# KiCad board PCA20073_nRF54L15_Tiny_Board.kicad_pcb (continued)
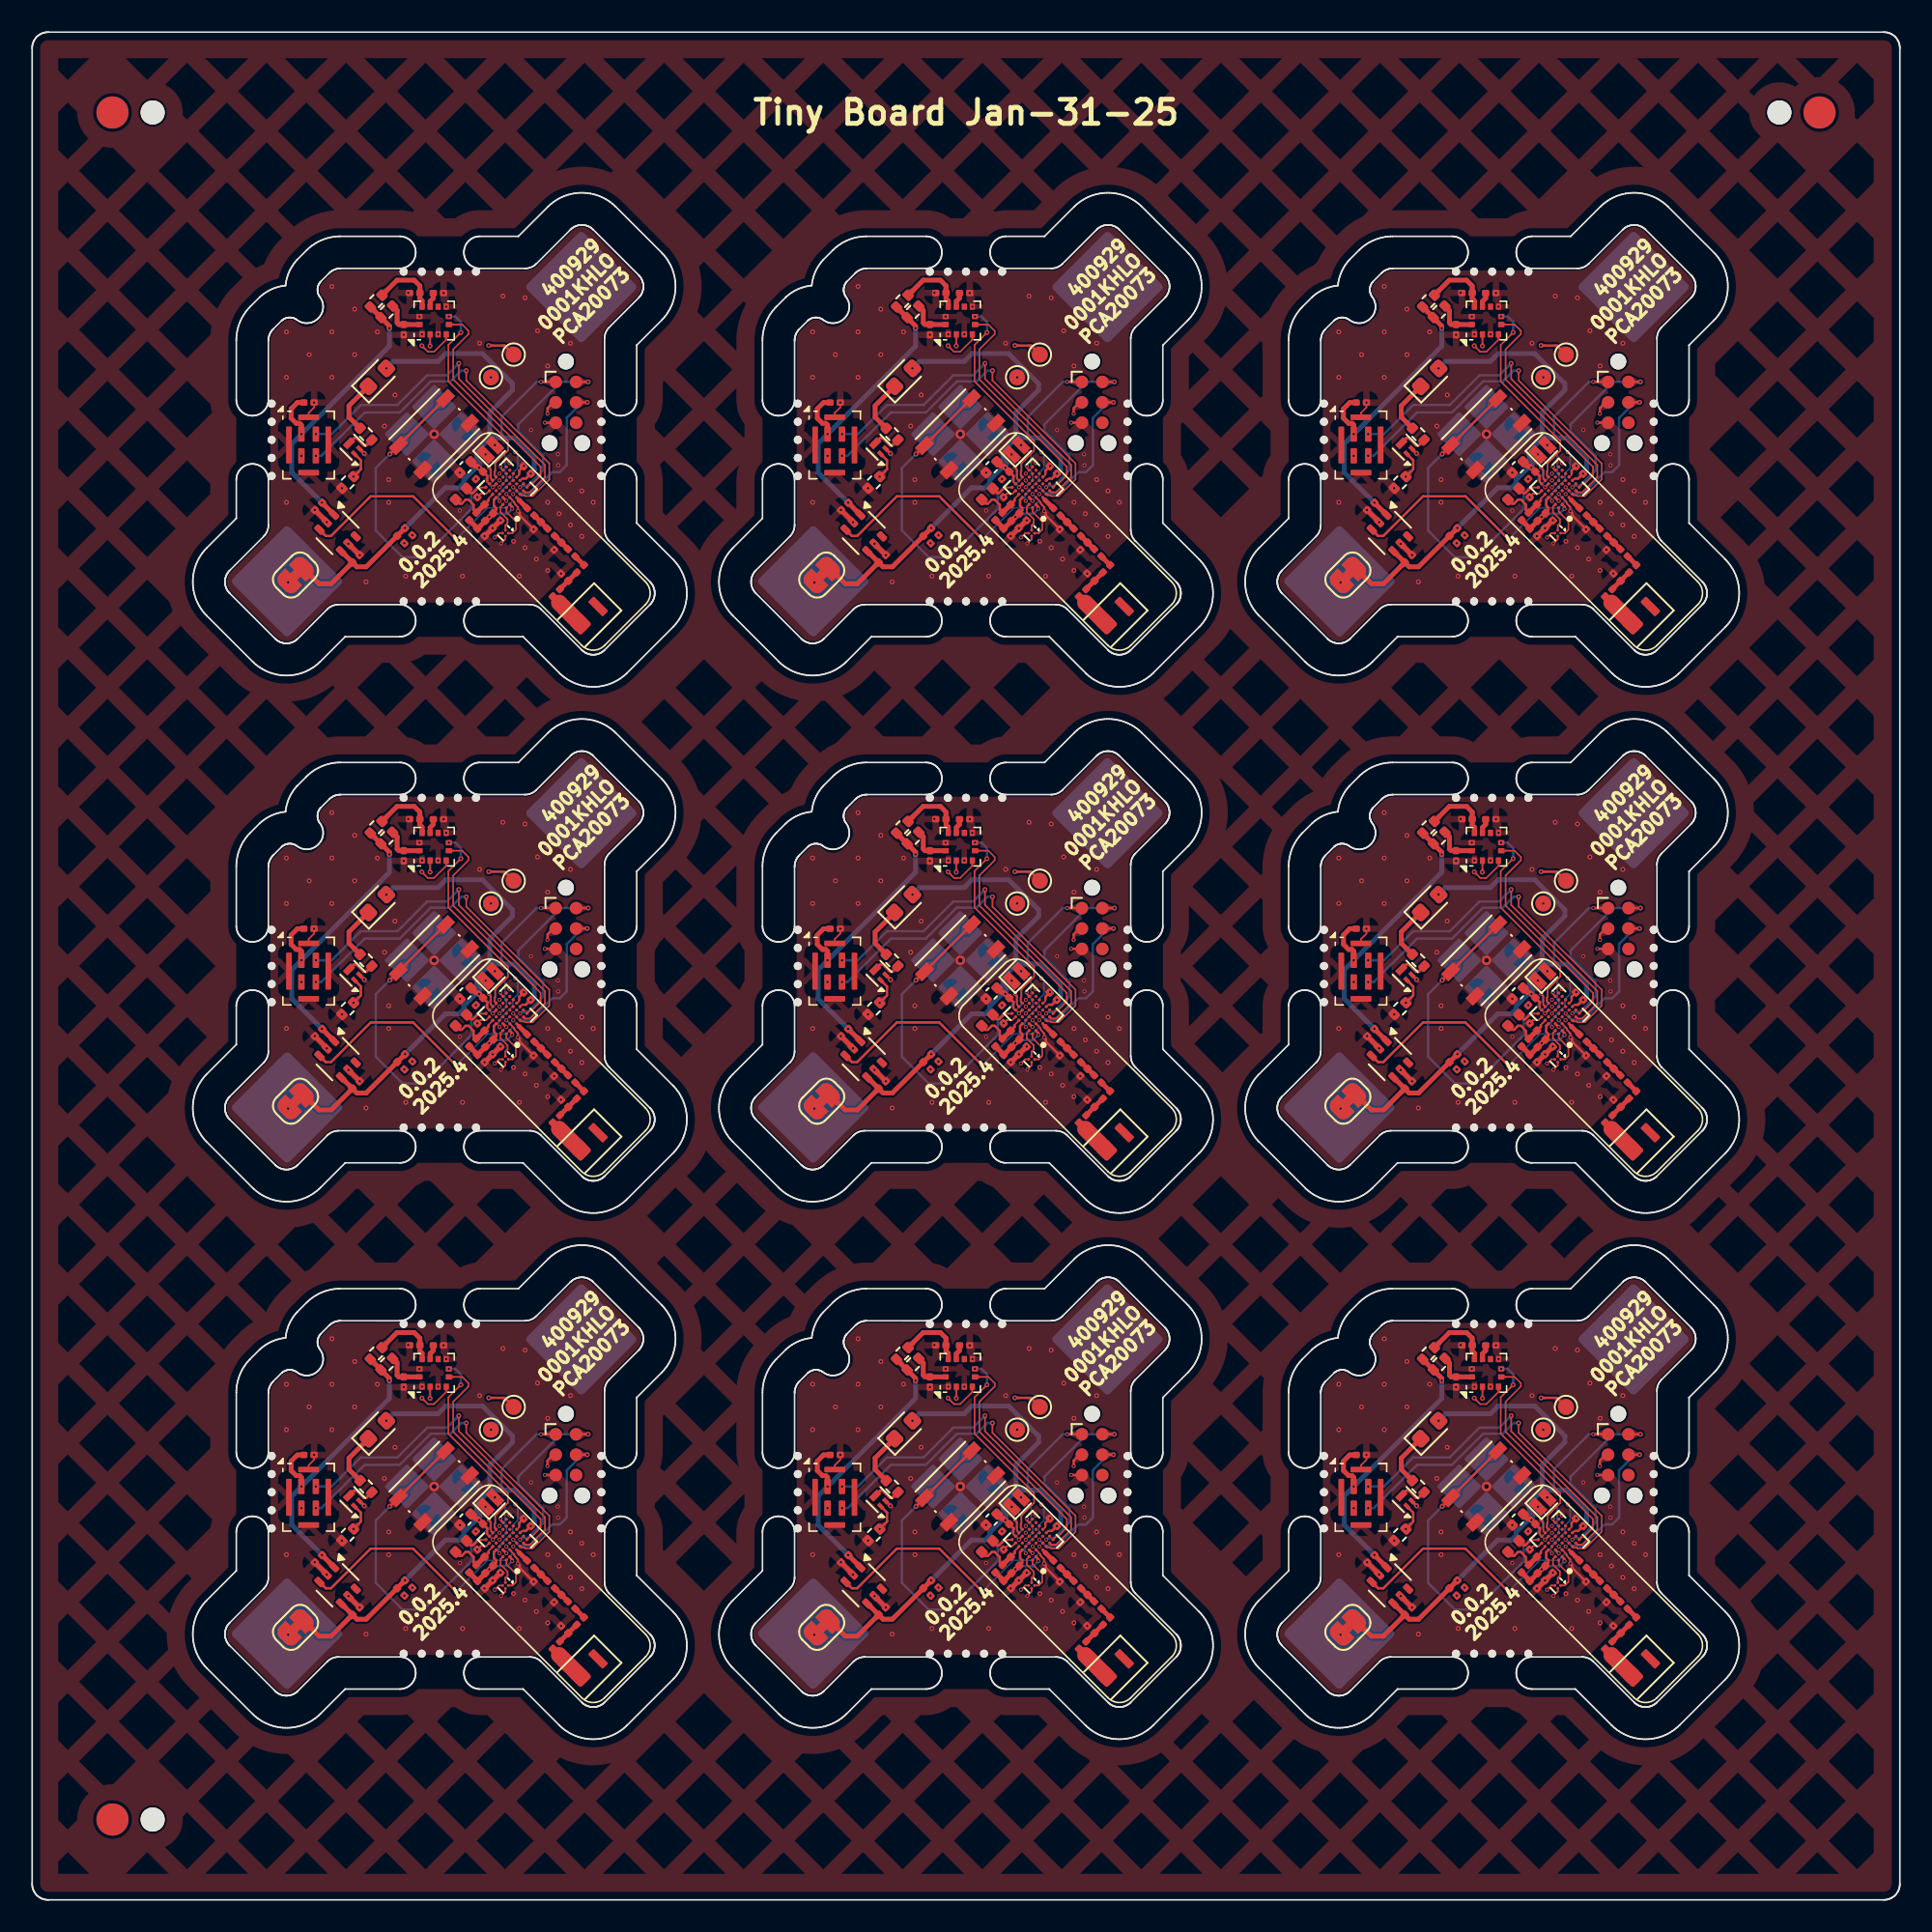
[diagram p0: board, top side]
## Nets (continued)
Board_3-unconnected-(U1-P2.06-PadF4): U1#2.F4
Board_3-unconnected-(U1-P2.07-PadE4): U1#2.E4
Board_3-unconnected-(U1-P2.08-PadD4): U1#2.D4
Board_3-unconnected-(U1-P2.09-PadF3): U1#2.F3
Board_3-unconnected-(U1-P2.10-PadG2): U1#2.G2
Board_3-unconnected-(U2-NC-Pad6): U2.6
Board_3-unconnected-(U3-ADC_IN-Pad8): U3#7.8
Board_3-VDD: C3#7.1 C8.1 C10#2.1 C11#4.1 D1#7.2 J1#4.1 JP1#3.2 R2#9.1 R3#4.1 U1#2.B7 U1#2.G3 U2.4
Board_4-/BUTTON0: SW1#3.1 U1#8.C7
Board_4-/INT1: U1#8.G1 U3#5.5
Board_4-/INT2: U1#8.D7 U3#5.6
Board_4-/LED: Q1#9.1 R4#2.1 U1#8.B3
Board_4-/LFCLK1: U1#8.B6 U1#8.C6 Y1#5.1
Board_4-/LSW: U1#8.C3 U2#6.3
Board_4-/PDM_CLK: MK1#3.3 U1#8.E1
Board_4-/PDM_DATA: MK1#3.4 U1#8.F1
Board_4-/SCL: R3.2 U1#8.F7 U3#5.4
Board_4-/SDA: R2#4.2 U1#8.D6 U3#5.2
Board_4-/UART_RX: TP2#8.1 U1#8.A3
Board_4-/UART_TX: TP1#3.1 U1#8.E7
Board_4-GND: BT1#3.2 C1.2 C2#7.2 C3#9.2 C4#7.2 C5#3.2 C6.2 C8#9.2 C9#7.2 C10#8.2 C11#8.2 C12#8.2 C15#2.2 C16#8.2 C17.2 C20#5.2 J1#6.5 L18#6.2 MK1#3.2 MK1#3.5 Q1#9.2 R4#2.2 SW1#3.2 U1#8.A6 U1#8.C2 U1#8.G4 U2#6.2 U2#6.5 U3#5.1 U3#5.3 U3#5.7 U3#5.11 Y2#4.2 Y2#4.3
Board_4-Net-(AE1-PCB_Trace): AE1#9.2 L7#8.2
Board_4-Net-(BT1-+): BT1#3.1 JP1#2.1
Board_4-Net-(C6-Pad1): C6.1 L2#6.2 L3#3.1
Board_4-Net-(C9-Pad1): C9#7.1 L3#3.2 L4#8.1
Board_4-Net-(D1-K): D1#5.1 R1.1
Board_4-Net-(J1-SWCLK): J1#6.4 U1#8.E3
Board_4-Net-(J1-SWDIO): J1#6.2 U1#8.F2
Board_4-Net-(J1-~{RESET}): J1#6.3 U1#8.D2
Board_4-Net-(JP2-A): C16#8.1 JP2#4.1 U3#5.12
Board_4-Net-(JP3-A): C17.1 JP3.1 U3#5.10
Board_4-Net-(L4-Pad2): L4#8.2 L6.1
Board_4-Net-(L18-Pad1): L6.2 L7#8.1 L18#6.1
Board_4-Net-(Q1-D): Q1#9.3 R1.2
Board_4-Net-(U1-ANT): L2#6.1 U1#8.D1
Board_4-Net-(U1-DCC): L1#3.2 U1#8.A7
Board_4-Net-(U1-DECA): C2#7.1 C5#3.1 C12#8.1 FB1#5.1 U1#8.A4 U1#8.B1
Board_4-Net-(U1-DECD): C1.1 FB1#5.2 L1#3.1 U1#8.A5
Board_4-Net-(U1-P1.00): U1#8.C5 Y1#5.2
Board_4-Net-(U1-XC1): U1#8.A1 Y2#4.1
Board_4-Net-(U1-XC2): U1#8.A2 Y2#4.4
Board_4-Net-(U3-V_{REG_OUT}): C15#2.1 U3#5.9
Board_4-unconnected-(AE1-FEED-Pad1): AE1#9.1
Board_4-unconnected-(J1-SWO-Pad6): J1#6.6
Board_4-unconnected-(U1-P0.02-PadE2): U1#8.E2
Board_4-unconnected-(U1-P0.04-PadD3): U1#8.D3
Board_4-unconnected-(U1-P1.03-PadD5): U1#8.D5
Board_4-unconnected-(U1-P1.05-PadE6): U1#8.E6
Board_4-unconnected-(U1-P1.11-PadC4): U1#8.C4
Board_4-unconnected-(U1-P1.13-PadB4): U1#8.B4
Board_4-unconnected-(U1-P1.14-PadB5): U1#8.B5
Board_4-unconnected-(U1-P2.00-PadG6): U1#8.G6
Board_4-unconnected-(U1-P2.01-PadG7): U1#8.G7
Board_4-unconnected-(U1-P2.02-PadF6): U1#8.F6
Board_4-unconnected-(U1-P2.03-PadE5): U1#8.E5
Board_4-unconnected-(U1-P2.04-PadF5): U1#8.F5
Board_4-unconnected-(U1-P2.05-PadG5): U1#8.G5
Board_4-unconnected-(U1-P2.06-PadF4): U1#8.F4
Board_4-unconnected-(U1-P2.07-PadE4): U1#8.E4
Board_4-unconnected-(U1-P2.08-PadD4): U1#8.D4
Board_4-unconnected-(U1-P2.09-PadF3): U1#8.F3
Board_4-unconnected-(U1-P2.10-PadG2): U1#8.G2
Board_4-unconnected-(U2-NC-Pad6): U2#6.6
Board_4-unconnected-(U3-ADC_IN-Pad8): U3#5.8
Board_4-VDD: C3#9.1 C8#9.1 C10#8.1 C11#8.1 D1#5.2 J1#6.1 JP1#2.2 R2#4.1 R3.1 U1#8.B7 U1#8.G3 U2#6.4
Board_5-/BUTTON0: SW1#8.1 U1.C7
Board_5-/INT1: U1.G1 U3#3.5
Board_5-/INT2: U1.D7 U3#3.6
Board_5-/LED: Q1#6.1 R4.1 U1.B3
Board_5-/LFCLK1: U1.B6 U1.C6 Y1#8.1
Board_5-/LSW: U1.C3 U2#3.3
Board_5-/PDM_CLK: MK1#7.3 U1.E1
Board_5-/PDM_DATA: MK1#7.4 U1.F1
Board_5-/SCL: R3#7.2 U1.F7 U3#3.4
Board_5-/SDA: R2#7.2 U1.D6 U3#3.2
Board_5-/UART_RX: TP2#7.1 U1.A3
Board_5-/UART_TX: TP1#5.1 U1.E7
Board_5-GND: BT1#7.2 C1#9.2 C2#8.2 C3#8.2 C4#4.2 C5.2 C6#7.2 C8#8.2 C9.2 C10#4.2 C11#6.2 C12#7.2 C15#6.2 C16#7.2 C17#4.2 C20#7.2 J1#2.5 L18#2.2 MK1#7.2 MK1#7.5 Q1#6.2 R4.2 SW1#8.2 U1.A6 U1.C2 U1.G4 U2#3.2 U2#3.5 U3#3.1 U3#3.3 U3#3.7 U3#3.11 Y2#7.2 Y2#7.3
Board_5-Net-(AE1-PCB_Trace): AE1.2 L7#4.2
Board_5-Net-(BT1-+): BT1#7.1 JP1.1
Board_5-Net-(C6-Pad1): C6#7.1 L2#7.2 L3#6.1
Board_5-Net-(C9-Pad1): C9.1 L3#6.2 L4#6.1
Board_5-Net-(D1-K): D1#9.1 R1#8.1
Board_5-Net-(J1-SWCLK): J1#2.4 U1.E3
Board_5-Net-(J1-SWDIO): J1#2.2 U1.F2
Board_5-Net-(J1-~{RESET}): J1#2.3 U1.D2
Board_5-Net-(JP2-A): C16#7.1 JP2#7.1 U3#3.12
Board_5-Net-(JP3-A): C17#4.1 JP3#7.1 U3#3.10
Board_5-Net-(L4-Pad2): L4#6.2 L6#7.1
Board_5-Net-(L18-Pad1): L6#7.2 L7#4.1 L18#2.1
Board_5-Net-(Q1-D): Q1#6.3 R1#8.2
Board_5-Net-(U1-ANT): L2#7.1 U1.D1
Board_5-Net-(U1-DCC): L1#9.2 U1.A7
Board_5-Net-(U1-DECA): C2#8.1 C5.1 C12#7.1 FB1#3.1 U1.A4 U1.B1
Board_5-Net-(U1-DECD): C1#9.1 FB1#3.2 L1#9.1 U1.A5
Board_5-Net-(U1-P1.00): U1.C5 Y1#8.2
Board_5-Net-(U1-XC1): U1.A1 Y2#7.1
Board_5-Net-(U1-XC2): U1.A2 Y2#7.4
Board_5-Net-(U3-V_{REG_OUT}): C15#6.1 U3#3.9
Board_5-unconnected-(AE1-FEED-Pad1): AE1.1
Board_5-unconnected-(J1-SWO-Pad6): J1#2.6
Board_5-unconnected-(U1-P0.02-PadE2): U1.E2
Board_5-unconnected-(U1-P0.04-PadD3): U1.D3
Board_5-unconnected-(U1-P1.03-PadD5): U1.D5
Board_5-unconnected-(U1-P1.05-PadE6): U1.E6
Board_5-unconnected-(U1-P1.11-PadC4): U1.C4
Board_5-unconnected-(U1-P1.13-PadB4): U1.B4
Board_5-unconnected-(U1-P1.14-PadB5): U1.B5
Board_5-unconnected-(U1-P2.00-PadG6): U1.G6
Board_5-unconnected-(U1-P2.01-PadG7): U1.G7
Board_5-unconnected-(U1-P2.02-PadF6): U1.F6
Board_5-unconnected-(U1-P2.03-PadE5): U1.E5
Board_5-unconnected-(U1-P2.04-PadF5): U1.F5
Board_5-unconnected-(U1-P2.05-PadG5): U1.G5
Board_5-unconnected-(U1-P2.06-PadF4): U1.F4
Board_5-unconnected-(U1-P2.07-PadE4): U1.E4
Board_5-unconnected-(U1-P2.08-PadD4): U1.D4
Board_5-unconnected-(U1-P2.09-PadF3): U1.F3
Board_5-unconnected-(U1-P2.10-PadG2): U1.G2
Board_5-unconnected-(U2-NC-Pad6): U2#3.6
Board_5-unconnected-(U3-ADC_IN-Pad8): U3#3.8
Board_5-VDD: C3#8.1 C8#8.1 C10#4.1 C11#6.1 D1#9.2 J1#2.1 JP1.2 R2#7.1 R3#7.1 U1.B7 U1.G3 U2#3.4
Board_6-/BUTTON0: SW1#4.1 U1#4.C7
Board_6-/INT1: U1#4.G1 U3#4.5
Board_6-/INT2: U1#4.D7 U3#4.6
Board_6-/LED: Q1#8.1 R4#8.1 U1#4.B3
Board_6-/LFCLK1: U1#4.B6 U1#4.C6 Y1#7.1
Board_6-/LSW: U1#4.C3 U2#7.3
Board_6-/PDM_CLK: MK1#9.3 U1#4.E1
Board_6-/PDM_DATA: MK1#9.4 U1#4.F1
Board_6-/SCL: R3#9.2 U1#4.F7 U3#4.4
Board_6-/SDA: R2#6.2 U1#4.D6 U3#4.2
Board_6-/UART_RX: TP2#9.1 U1#4.A3
Board_6-/UART_TX: TP1#2.1 U1#4.E7
Board_6-GND: BT1#8.2 C1#7.2 C2#2.2 C3#5.2 C4#8.2 C5#7.2 C6#4.2 C8#3.2 C9#2.2 C10#7.2 C11#2.2 C12#2.2 C15#5.2 C16#4.2 C17#8.2 C20.2 J1.5 L18#8.2 MK1#9.2 MK1#9.5 Q1#8.2 R4#8.2 SW1#4.2 U1#4.A6 U1#4.C2 U1#4.G4 U2#7.2 U2#7.5 U3#4.1 U3#4.3 U3#4.7 U3#4.11 Y2#5.2 Y2#5.3
Board_6-Net-(AE1-PCB_Trace): AE1#7.2 L7#7.2
Board_6-Net-(BT1-+): BT1#8.1 JP1#4.1
Board_6-Net-(C6-Pad1): C6#4.1 L2#9.2 L3#5.1
Board_6-Net-(C9-Pad1): C9#2.1 L3#5.2 L4#4.1
Board_6-Net-(D1-K): D1#2.1 R1#2.1
Board_6-Net-(J1-SWCLK): J1.4 U1#4.E3
Board_6-Net-(J1-SWDIO): J1.2 U1#4.F2
Board_6-Net-(J1-~{RESET}): J1.3 U1#4.D2
Board_6-Net-(JP2-A): C16#4.1 JP2#5.1 U3#4.12
Board_6-Net-(JP3-A): C17#8.1 JP3#3.1 U3#4.10
Board_6-Net-(L4-Pad2): L4#4.2 L6#5.1
Board_6-Net-(L18-Pad1): L6#5.2 L7#7.1 L18#8.1
Board_6-Net-(Q1-D): Q1#8.3 R1#2.2
Board_6-Net-(U1-ANT): L2#9.1 U1#4.D1
Board_6-Net-(U1-DCC): L1#8.2 U1#4.A7
Board_6-Net-(U1-DECA): C2#2.1 C5#7.1 C12#2.1 FB1#8.1 U1#4.A4 U1#4.B1
Board_6-Net-(U1-DECD): C1#7.1 FB1#8.2 L1#8.1 U1#4.A5
Board_6-Net-(U1-P1.00): U1#4.C5 Y1#7.2
Board_6-Net-(U1-XC1): U1#4.A1 Y2#5.1
Board_6-Net-(U1-XC2): U1#4.A2 Y2#5.4
Board_6-Net-(U3-V_{REG_OUT}): C15#5.1 U3#4.9
Board_6-unconnected-(AE1-FEED-Pad1): AE1#7.1
Board_6-unconnected-(J1-SWO-Pad6): J1.6
Board_6-unconnected-(U1-P0.02-PadE2): U1#4.E2
Board_6-unconnected-(U1-P0.04-PadD3): U1#4.D3
Board_6-unconnected-(U1-P1.03-PadD5): U1#4.D5
Board_6-unconnected-(U1-P1.05-PadE6): U1#4.E6
Board_6-unconnected-(U1-P1.11-PadC4): U1#4.C4
Board_6-unconnected-(U1-P1.13-PadB4): U1#4.B4
Board_6-unconnected-(U1-P1.14-PadB5): U1#4.B5
Board_6-unconnected-(U1-P2.00-PadG6): U1#4.G6
Board_6-unconnected-(U1-P2.01-PadG7): U1#4.G7
Board_6-unconnected-(U1-P2.02-PadF6): U1#4.F6
Board_6-unconnected-(U1-P2.03-PadE5): U1#4.E5
Board_6-unconnected-(U1-P2.04-PadF5): U1#4.F5
Board_6-unconnected-(U1-P2.05-PadG5): U1#4.G5
Board_6-unconnected-(U1-P2.06-PadF4): U1#4.F4
Board_6-unconnected-(U1-P2.07-PadE4): U1#4.E4
Board_6-unconnected-(U1-P2.08-PadD4): U1#4.D4
Board_6-unconnected-(U1-P2.09-PadF3): U1#4.F3
Board_6-unconnected-(U1-P2.10-PadG2): U1#4.G2
Board_6-unconnected-(U2-NC-Pad6): U2#7.6
Board_6-unconnected-(U3-ADC_IN-Pad8): U3#4.8
Board_6-VDD: C3#5.1 C8#3.1 C10#7.1 C11#2.1 D1#2.2 J1.1 JP1#4.2 R2#6.1 R3#9.1 U1#4.B7 U1#4.G3 U2#7.4
Board_7-/BUTTON0: SW1.1 U1#6.C7
Board_7-/INT1: U1#6.G1 U3#6.5
Board_7-/INT2: U1#6.D7 U3#6.6
Board_7-/LED: Q1#7.1 R4#3.1 U1#6.B3
Board_7-/LFCLK1: U1#6.B6 U1#6.C6 Y1#4.1
Board_7-/LSW: U1#6.C3 U2#9.3
Board_7-/PDM_CLK: MK1.3 U1#6.E1
Board_7-/PDM_DATA: MK1.4 U1#6.F1
Board_7-/SCL: R3#5.2 U1#6.F7 U3#6.4
Board_7-/SDA: R2#5.2 U1#6.D6 U3#6.2
Board_7-/UART_RX: TP2#6.1 U1#6.A3
Board_7-/UART_TX: TP1.1 U1#6.E7
Board_7-GND: BT1#5.2 C1#6.2 C2#5.2 C3#6.2 C4.2 C5#2.2 C6#9.2 C8#4.2 C9#6.2 C10#3.2 C11.2 C12#3.2 C15#8.2 C16#5.2 C17#5.2 C20#8.2 J1#7.5 L18#5.2 MK1.2 MK1.5 Q1#7.2 R4#3.2 SW1.2 U1#6.A6 U1#6.C2 U1#6.G4 U2#9.2 U2#9.5 U3#6.1 U3#6.3 U3#6.7 U3#6.11 Y2#9.2 Y2#9.3
Board_7-Net-(AE1-PCB_Trace): AE1#5.2 L7.2
Board_7-Net-(BT1-+): BT1#5.1 JP1#7.1
Board_7-Net-(C6-Pad1): C6#9.1 L2#4.2 L3#2.1
Board_7-Net-(C9-Pad1): C9#6.1 L3#2.2 L4#3.1
Board_7-Net-(D1-K): D1.1 R1#4.1
Board_7-Net-(J1-SWCLK): J1#7.4 U1#6.E3
Board_7-Net-(J1-SWDIO): J1#7.2 U1#6.F2
Board_7-Net-(J1-~{RESET}): J1#7.3 U1#6.D2
Board_7-Net-(JP2-A): C16#5.1 JP2#6.1 U3#6.12
Board_7-Net-(JP3-A): C17#5.1 JP3#8.1 U3#6.10
Board_7-Net-(L4-Pad2): L4#3.2 L6#8.1
Board_7-Net-(L18-Pad1): L6#8.2 L7.1 L18#5.1
Board_7-Net-(Q1-D): Q1#7.3 R1#4.2
Board_7-Net-(U1-ANT): L2#4.1 U1#6.D1
Board_7-Net-(U1-DCC): L1#6.2 U1#6.A7
Board_7-Net-(U1-DECA): C2#5.1 C5#2.1 C12#3.1 FB1#4.1 U1#6.A4 U1#6.B1
Board_7-Net-(U1-DECD): C1#6.1 FB1#4.2 L1#6.1 U1#6.A5
Board_7-Net-(U1-P1.00): U1#6.C5 Y1#4.2
Board_7-Net-(U1-XC1): U1#6.A1 Y2#9.1
Board_7-Net-(U1-XC2): U1#6.A2 Y2#9.4
Board_7-Net-(U3-V_{REG_OUT}): C15#8.1 U3#6.9
Board_7-unconnected-(AE1-FEED-Pad1): AE1#5.1
Board_7-unconnected-(J1-SWO-Pad6): J1#7.6
Board_7-unconnected-(U1-P0.02-PadE2): U1#6.E2
Board_7-unconnected-(U1-P0.04-PadD3): U1#6.D3
Board_7-unconnected-(U1-P1.03-PadD5): U1#6.D5
Board_7-unconnected-(U1-P1.05-PadE6): U1#6.E6
Board_7-unconnected-(U1-P1.11-PadC4): U1#6.C4
Board_7-unconnected-(U1-P1.13-PadB4): U1#6.B4
Board_7-unconnected-(U1-P1.14-PadB5): U1#6.B5
Board_7-unconnected-(U1-P2.00-PadG6): U1#6.G6
Board_7-unconnected-(U1-P2.01-PadG7): U1#6.G7
Board_7-unconnected-(U1-P2.02-PadF6): U1#6.F6
Board_7-unconnected-(U1-P2.03-PadE5): U1#6.E5
Board_7-unconnected-(U1-P2.04-PadF5): U1#6.F5
Board_7-unconnected-(U1-P2.05-PadG5): U1#6.G5
Board_7-unconnected-(U1-P2.06-PadF4): U1#6.F4
Board_7-unconnected-(U1-P2.07-PadE4): U1#6.E4
Board_7-unconnected-(U1-P2.08-PadD4): U1#6.D4
Board_7-unconnected-(U1-P2.09-PadF3): U1#6.F3
Board_7-unconnected-(U1-P2.10-PadG2): U1#6.G2
Board_7-unconnected-(U2-NC-Pad6): U2#9.6
Board_7-unconnected-(U3-ADC_IN-Pad8): U3#6.8
Board_7-VDD: C3#6.1 C8#4.1 C10#3.1 C11.1 D1.2 J1#7.1 JP1#7.2 R2#5.1 R3#5.1 U1#6.B7 U1#6.G3 U2#9.4
Board_8-/BUTTON0: SW1#2.1 U1#3.C7
Board_8-/INT1: U1#3.G1 U3#9.5
Board_8-/INT2: U1#3.D7 U3#9.6
Board_8-/LED: Q1#5.1 R4#4.1 U1#3.B3
Board_8-/LFCLK1: U1#3.B6 U1#3.C6 Y1#6.1
Board_8-/LSW: U1#3.C3 U2#8.3
Board_8-/PDM_CLK: MK1#6.3 U1#3.E1
Board_8-/PDM_DATA: MK1#6.4 U1#3.F1
Board_8-/SCL: R3#6.2 U1#3.F7 U3#9.4
Board_8-/SDA: R2.2 U1#3.D6 U3#9.2
Board_8-/UART_RX: TP2#2.1 U1#3.A3
Board_8-/UART_TX: TP1#8.1 U1#3.E7
Board_8-GND: BT1.2 C1#8.2 C2#9.2 C3#4.2 C4#9.2 C5#6.2 C6#2.2 C8#7.2 C9#4.2 C10#5.2 C11#7.2 C12#4.2 C15.2 C16#6.2 C17#3.2 C20#6.2 J1#5.5 L18#7.2 MK1#6.2 MK1#6.5 Q1#5.2 R4#4.2 SW1#2.2 U1#3.A6 U1#3.C2 U1#3.G4 U2#8.2 U2#8.5 U3#9.1 U3#9.3 U3#9.7 U3#9.11 Y2#8.2 Y2#8.3
Board_8-Net-(AE1-PCB_Trace): AE1#6.2 L7#5.2
Board_8-Net-(BT1-+): BT1.1 JP1#6.1
Board_8-Net-(C6-Pad1): C6#2.1 L2#5.2 L3#8.1
Board_8-Net-(C9-Pad1): C9#4.1 L3#8.2 L4#5.1
Board_8-Net-(D1-K): D1#6.1 R1#9.1
Board_8-Net-(J1-SWCLK): J1#5.4 U1#3.E3
Board_8-Net-(J1-SWDIO): J1#5.2 U1#3.F2
Board_8-Net-(J1-~{RESET}): J1#5.3 U1#3.D2
Board_8-Net-(JP2-A): C16#6.1 JP2#9.1 U3#9.12
Board_8-Net-(JP3-A): C17#3.1 JP3#9.1 U3#9.10
Board_8-Net-(L4-Pad2): L4#5.2 L6#2.1
Board_8-Net-(L18-Pad1): L6#2.2 L7#5.1 L18#7.1
Board_8-Net-(Q1-D): Q1#5.3 R1#9.2
Board_8-Net-(U1-ANT): L2#5.1 U1#3.D1
Board_8-Net-(U1-DCC): L1.2 U1#3.A7
Board_8-Net-(U1-DECA): C2#9.1 C5#6.1 C12#4.1 FB1#7.1 U1#3.A4 U1#3.B1
Board_8-Net-(U1-DECD): C1#8.1 FB1#7.2 L1.1 U1#3.A5
Board_8-Net-(U1-P1.00): U1#3.C5 Y1#6.2
Board_8-Net-(U1-XC1): U1#3.A1 Y2#8.1
Board_8-Net-(U1-XC2): U1#3.A2 Y2#8.4
Board_8-Net-(U3-V_{REG_OUT}): C15.1 U3#9.9
Board_8-unconnected-(AE1-FEED-Pad1): AE1#6.1
Board_8-unconnected-(J1-SWO-Pad6): J1#5.6
Board_8-unconnected-(U1-P0.02-PadE2): U1#3.E2
Board_8-unconnected-(U1-P0.04-PadD3): U1#3.D3
Board_8-unconnected-(U1-P1.03-PadD5): U1#3.D5
Board_8-unconnected-(U1-P1.05-PadE6): U1#3.E6
Board_8-unconnected-(U1-P1.11-PadC4): U1#3.C4
Board_8-unconnected-(U1-P1.13-PadB4): U1#3.B4
Board_8-unconnected-(U1-P1.14-PadB5): U1#3.B5
Board_8-unconnected-(U1-P2.00-PadG6): U1#3.G6
Board_8-unconnected-(U1-P2.01-PadG7): U1#3.G7
Board_8-unconnected-(U1-P2.02-PadF6): U1#3.F6
Board_8-unconnected-(U1-P2.03-PadE5): U1#3.E5
Board_8-unconnected-(U1-P2.04-PadF5): U1#3.F5
Board_8-unconnected-(U1-P2.05-PadG5): U1#3.G5
Board_8-unconnected-(U1-P2.06-PadF4): U1#3.F4
Board_8-unconnected-(U1-P2.07-PadE4): U1#3.E4
Board_8-unconnected-(U1-P2.08-PadD4): U1#3.D4
Board_8-unconnected-(U1-P2.09-PadF3): U1#3.F3
Board_8-unconnected-(U1-P2.10-PadG2): U1#3.G2
Board_8-unconnected-(U2-NC-Pad6): U2#8.6
Board_8-unconnected-(U3-ADC_IN-Pad8): U3#9.8
Board_8-VDD: C3#4.1 C8#7.1 C10#5.1 C11#7.1 D1#6.2 J1#5.1 JP1#6.2 R2.1 R3#6.1 U1#3.B7 U1#3.G3 U2#8.4

## Via types
v1: diameter 0.25, hole 0.15, Top to Bottom, 342 vias
v2: diameter 0.3, hole 0.15, Top to Bottom, 684 vias
v3: diameter 0.6, hole 0.3, Top to Bottom, 9 vias

## Routing (per net, layer and track width the routed paths; a pad name or vN(x,y) marks a point on that pad's centre or on a via; arc(x,y) is an arc through that point)
Board_0-/VDD_LS: length 20
  Top w0.3: C20#4.1 16.51,93.19 16.12,92.8 16.12,92.22 16.44,91.9 16.65,91.9 16.76,91.79 v2(16.76,91.23) ; JP3#6.2 22.23,97.96 v2(22.23,97.82) ; v2(18.04,86.96) U2#4.1
  Bottom w0.3: v2(22.23,97.82) 22.23,96.7 v2(16.76,91.23) 16.17,90.64 16.17,88.84 v2(18.04,86.96)
Board_1-/VDD_LS: length 20
  Top w0.3: v2(54.98,97.82) 54.98,97.96 JP3#5.2 ; v2(49.51,91.23) 49.51,91.79 49.4,91.9 49.19,91.9 48.87,92.22 48.87,92.8 49.26,93.19 C20#9.1 ; v2(50.79,86.96) U2#2.1
  Bottom w0.3: v2(54.98,97.82) 54.98,96.7 v2(49.51,91.23) 48.92,90.64 48.92,88.84 v2(50.79,86.96)
Board_2-/VDD_LS: length 20
  Top w0.3: JP3#4.2 87.73,97.96 v2(87.73,97.82) ; C20#2.1 82,93.19 81.62,92.8 81.62,92.22 81.94,91.9 82.15,91.9 82.26,91.79 v2(82.26,91.23) ; v2(83.54,86.96) U2#5.1
  Bottom w0.3: v2(87.73,97.82) 87.73,96.7 v2(82.26,91.23) 81.66,90.64 81.66,88.84 v2(83.54,86.96)
Board_3-/VDD_LS: length 20
  Top w0.3: v2(16.76,58.48) 16.76,59.05 16.65,59.15 16.44,59.15 16.12,59.47 16.12,60.05 16.51,60.44 C20#3.1 ; v2(22.23,65.07) 22.23,65.21 JP3#2.2 ; v2(18.04,54.21) U2.1
  Bottom w0.3: v2(22.23,65.07) 22.23,63.95 v2(16.76,58.48) 16.17,57.89 16.17,56.09 v2(18.04,54.21)
Board_4-/VDD_LS: length 20
  Top w0.3: v2(54.98,65.07) 54.98,65.21 JP3.2 ; C20#5.1 49.26,60.44 48.87,60.05 48.87,59.47 49.19,59.15 49.4,59.15 49.51,59.05 v2(49.51,58.48) ; v2(50.79,54.21) U2#6.1
  Bottom w0.3: v2(54.98,65.07) 54.98,63.95 v2(49.51,58.48) 48.92,57.89 48.92,56.09 v2(50.79,54.21)
Board_5-/VDD_LS: length 20
  Top w0.3: v2(87.73,65.07) 87.73,65.21 JP3#7.2 ; v2(82.26,58.48) 82.26,59.05 82.15,59.15 81.94,59.15 81.62,59.47 81.62,60.05 82,60.44 C20#7.1 ; v2(83.54,54.21) U2#3.1
  Bottom w0.3: v2(83.54,54.21) 81.66,56.09 81.66,57.89 v2(82.26,58.48) 87.73,63.95 v2(87.73,65.07)
Board_6-/VDD_LS: length 20
  Top w0.3: v2(18.04,21.46) U2#7.1 ; C20.1 16.51,27.69 16.12,27.3 16.12,26.72 16.44,26.4 16.65,26.4 16.76,26.3 v2(16.76,25.73) ; JP3#3.2 22.23,32.46 v2(22.23,32.32)
  Bottom w0.3: v2(22.23,32.32) 22.23,31.21 v2(16.76,25.73) 16.17,25.14 16.17,23.34 v2(18.04,21.46)
Board_7-/VDD_LS: length 20
  Top w0.3: v2(54.98,32.32) 54.98,32.46 JP3#8.2 ; v2(49.51,25.73) 49.51,26.3 49.4,26.4 49.19,26.4 48.87,26.72 48.87,27.3 49.26,27.69 C20#8.1 ; v2(50.79,21.46) U2#9.1
  Bottom w0.3: v2(54.98,32.32) 54.98,31.21 v2(49.51,25.73) 48.92,25.14 48.92,23.34 v2(50.79,21.46)
Board_8-/VDD_LS: length 20
  Top w0.3: v2(87.73,32.32) 87.73,32.46 JP3#9.2 ; v2(82.26,25.73) 82.26,26.3 82.15,26.4 81.94,26.4 81.62,26.72 81.62,27.3 82,27.69 C20#6.1 ; v2(83.54,21.46) U2#8.1
  Bottom w0.3: v2(83.54,21.46) 81.66,23.34 81.66,25.14 v2(82.26,25.73) 87.73,31.21 v2(87.73,32.32)
Board_0-/BUTTON0: length 21.9
  Top w0.1: U1#5.C7 28.56,88.46 28.56,88.98 28.42,89.12 v1(28.42,89.15)
  Top w0.15: v2(22.26,89.98) SW1#9.1 SW1#9.1
  Bottom w0.15: v2(22.26,89.98) 21.39,89.11 21.39,85.23 23.05,83.56 24.33,83.56 27.1,86.33 27.33,86.57 27.33,87.51 28.53,88.71 28.53,89.04 v1(28.42,89.15)
Board_0-/INT1: length 14.2
  Top w0.1: U3#8.5 26.77,98.05 27.16,97.65 27.16,97.45 26.21,96.5 26.21,94.63 31.65,89.2 31.65,88.66 31.1,88.11 30.99,88.11 U1#5.G1
Board_0-/INT2: length 12.8
  Top w0.1: U1#5.D7 28.78,88.66 28.78,88.9 28.82,88.95 28.82,89.41 29.61,90.2 29.61,90.81 25.9,94.51 25.9,96.78 v2(26.68,97.55)
  Bottom w0.15: v2(26.68,97.55) 26.68,98.2 26.34,98.55 v2(25.93,98.55)
Board_0-/LED: length 17.8
  Top w0.15: v2(20,88.58) 20.46,89.04 20.46,89.6 Q1#4.1 ; U1#5.B3 v1(29.52,87.07)
  In2.Cu w0.15: v2(20,88.58) 20.69,87.89 20.69,85.15 22.52,83.31 23.36,83.31 24.77,84.73 25.73,84.73 26.22,84.25 26.81,84.25 27.77,85.21 27.77,85.93 28.51,86.67 29.12,86.67 v1(29.52,87.07)
Board_0-/LFCLK1: length 2.8
  Top w0.075: 28.67,87.92 28.67,87.9
  Top w0.1: U1#5.C6 v1(28.67,87.92)
  Bottom w0.1: v1(28.22,89.96) 28.82,89.36 28.82,88.45 28.54,88.17 28.54,88.05 v1(28.67,87.92)
Board_0-/LSW: length 15.9
  Top w0.075: v1(29.52,87.49) 29.52,87.48 29.52,87.48
  Top w0.15: U2#4.3 18.27,84.89 18.6,84.89 21.07,87.36 23.71,87.36 v2(26.39,84.68)
  Bottom w0.1: v2(26.39,84.68) 28.34,86.64 29.5,86.64 29.87,87.01 29.87,87.14 v1(29.52,87.49)
Board_0-/PDM_CLK: length 22.8
  Top w0.1: U1#5.E1 30.44,87.42 30.63,87.42 30.68,87.37 31.15,87.37 32.19,88.41 32.19,89.4 27.02,94.57 v2(27.02,95.18)
  Bottom w0.15: v2(27.02,95.18) 26.7,95.18 26.03,94.51 24.81,94.51 22.88,92.58 20.7,92.58 18,89.88 v1(17.66,89.88)
Board_0-/PDM_DATA: length 21.8
  Top w0.1: U1#5.F1 30.68,87.6 30.97,87.6 31.91,88.55 31.91,89.31 26.55,94.67 v2(26.55,95.63)
  Bottom w0.15: v2(26.55,95.63) 25.81,94.89 24.58,94.89 22.73,93.04 20.45,93.04 18.64,91.23 v1(17.66,91.23)
Board_0-/SCL: length 28.8
  Top w0.075: 29.31,88.96 29.31,88.96 U1#5.F7
  Top w0.1: U1#5.F7 29.15,89.14 v1(29.15,89.23) ; v2(24.26,96.73) 24.63,96.35 25.01,96.35 25.77,97.11 U3#8.4
  In2.Cu w0.1: v1(29.15,89.23) 29.36,89.02 29.36,88.75 29.43,88.69 29.43,87.82 29.06,87.46 28.79,87.46 26.41,85.07 24.45,85.07 24.18,84.8 23.8,84.8 23.79,84.8 23.54,84.8 ; 23.54,84.8 23.47,84.74 23.47,84.6 23.68,84.39 23.68,84.07 23.22,83.62 22.66,83.62 21.05,85.22 21.05,93.27 24.26,96.47 v2(24.26,96.73) ; 23.54,84.8 v2(23.66,84.93)
  In2.Cu w0.15: v2(23.66,84.93) 23.8,84.8
Board_0-/SDA: length 24.8
  Top w0.1: v2(24.77,96.71) 24.77,96.72 U3#8.2 ; 29.09,88.34 29.09,88.33
  In2.Cu w0.1: v2(24.77,96.71) 24.77,96.57 21.35,93.16 21.35,85.26 22.67,83.94 23.2,83.94 23.37,84.12 23.37,84.23 v2(23.17,84.44)
  In2.Cu w0.15: v2(23.17,84.44) 23.03,84.58 23.03,84.75 23.63,85.36 23.63,85.67 25.93,87.97 27.57,87.97 27.95,88.34 29.09,88.34 v1(29.09,88.34)
Board_0-/UART_RX: length 13.6
  Top w0.15: v2(28.41,96.74) 29.4,96.74 TP2#5.1
  In2.Cu w0.15: v1(30.08,90.1) 30.23,90.26 30.23,95.91 29.4,96.74 v2(28.41,96.74)
  Bottom w0.1: v1(30.08,90.1) 30.22,89.95 30.22,89.12 29.9,88.79 29.9,88.37 29.2,87.67 29.2,87.6 29.03,87.43 29.03,87.33 29.03,87.39 29.03,87.14 v1(29.09,87.07)
Board_0-/UART_TX: length 7.1
  In2.Cu w0.15: v1(29.09,88.77) 29.08,88.77 28.85,89 28.85,89.34 29.9,90.39 29.9,93.42 v2(28.56,94.76)
Board_0-GND: length 11.5
  Top w0.075: 29.99,86.93 30.17,86.76
  Top w0.1: U1#5.C2 29.99,87.02 29.99,86.98 30.04,86.93 30.04,86.88 30.24,86.69 v1(30.24,86.43) ; v1(28.79,84.8) 29.06,85.06 Y2#3.3 ; MK1#5.5 17.21,92.55 17.55,92.89 v1(17.55,93.19) ; v1(27.71,87.31) 27.92,87.51 28.26,87.51 U1#5.A6 ; 30.32,88.79 30.32,88.7 30.15,88.54 ; Y2#3.2 29.46,84.69 v1(29.19,84.42)
  Top w0.15: v2(31.21,85.3) 30.35,86.17 30.35,86.32 v1(30.24,86.43) ; v2(20.67,90.02) Q1#4.2 ; v1(31.91,91.94) 32.58,91.94 J1#3.5 ; v2(19.28,87.86) 19.28,87.85 19.29,87.83 ; 30.32,88.79 30.32,88.96 C8#6.2
  Top w0.3: v1(29.15,85.86) v1(28.66,85.37) ; v1(28.66,85.37) C12.2 ; v1(28.66,85.37) 28.17,84.88 v1(28.16,84.88) ; v2(17.59,86.51) 18.34,85.76 v2(18.34,85.74) ; v2(19.68,84.4) v2(20.39,83.69)
  vias: v1(16.76,89.88) v1(26.63,86.47) v1(27.62,88.43) v1(29.72,89.43) v1(30.61,89.25) v1(31.05,91.48) v1(32.72,89.97) v1(32.74,89.29) v2(15.83,97.59) v2(15.83,94.76) v2(15.83,86.98) v2(17.24,96.17) v2(18.66,100.42) v2(18.66,97.59) v2(18.66,94.76) v2(20.07,99) v2(20.07,96.17) v2(20.78,82.03) v2(21.48,97.59) v2(21.93,91.73) v2(22.19,88.4) v2(22.19,86.98) v2(22.58,93.66) v2(23.13,97.41) v2(23.25,82.39) v2(23.41,100.03) v2(24.11,98.55) v2(24.27,97.44) v2(25.27,97.44) v2(25.61,100.01) v2(25.77,99.16) v2(26.63,88.83) v2(26.79,82.39) v2(27.85,96.88) v2(29.3,99.82) v2(29.96,84.56) v2(30.32,82.39) v2(30.68,99.71) v2(30.68,84.15) v2(31.46,97.66) v2(31.38,83.45) v2(32.09,98.3) v2(32.09,95.47) v2(32.09,86.98) v2(32.09,82.74) v2(32.49,84.03) v2(32.8,86.28) v2(32.92,82.55) v2(33.51,96.88) v2(33.51,88.4) v2(33.51,85.57) v2(34.21,87.69) v2(34.21,84.86) v2(34.92,86.98) v3(25.02,91.23)
Board_0-Net-(AE1-PCB_Trace): length 1.9
  Top w1: AE1#3.2 32.8,80.73
Board_0-Net-(BT1-+):
  vias: v2(15.93,82)
Board_0-Net-(C6-Pad1): length 1.2
  Top w0.293: 31.25,86.17 32.07,85.35
Board_0-Net-(C9-Pad1): length 1.2
  Top w0.293: 32.53,84.89 33.35,84.07
Board_0-Net-(D1-K): length 3.4
  Top w0.3: D1#3.1 19.72,92.99 19.72,92.29 R1#3.1
Board_0-Net-(J1-SWCLK): length 9.5
  Top w0.15: J1#3.4 v2(34.55,93.2)
  Bottom w0.15: v1(29.94,87.92) 29.94,87.91 30.33,87.53 31.04,87.53 32.37,88.86 32.84,88.86 33.27,89.29 33.27,92.24 34.24,93.2 v2(34.55,93.2)
Board_0-Net-(J1-SWDIO): length 11.6
  Top w0.15: v2(34.61,94.48) 33.86,94.48 J1#3.2
  Bottom w0.15: v2(34.61,94.48) 32.9,94.48 30.25,91.83 30.25,91.46 31.81,89.9 31.81,88.98 30.85,88.01 30.48,88.01 30.38,87.92 v1(30.37,87.92)
Board_0-Net-(J1-~{RESET}): length 8.1
  Top w0.15: 29.94,87.48 v1(29.94,87.49) ; v1(32.08,92.5) 32.08,92.84 32.45,93.2 J1#3.3
  In2.Cu w0.15: v1(32.08,92.5) 31.71,92.5 31.46,92.24 31.46,91.32 30.97,90.84 30.97,90.1 31.77,89.29 31.77,88.77 30.58,87.58 30.02,87.58 v1(29.94,87.49)
Board_0-Net-(JP2-A): length 2.6
  Top w0.3: JP2#3.1 22.72,98.92 22.72,98.15 22.82,98.05 C16#3.1 23.13,98.05 U3#8.12 24.1,98.05
Board_0-Net-(JP3-A): length 4.3
  Top w0.3: U3#8.10 24.27,99.51 24.13,99.65 C17#2.1 24.13,100.46 23.78,100.81 22.71,100.81 JP3#6.1
Board_0-Net-(L4-Pad2): length 0.8
  Top w0.293: 33.8,83.62 34.34,83.08
Board_0-Net-(L18-Pad1): length 1.5
  Top w0.293: 33.89,82.62 32.85,81.58
Board_0-Net-(Q1-D): length 1.9
  Top w0.15: Q1#4.3 20.04,90.98 20.18,90.98 20.64,90.52 20.79,90.52 R1#3.2
Board_0-Net-(U1-ANT): length 0.9
  Top w0.1: 30.17,87.27 30.16,87.26 30.3,87.12
  Top w0.293: L2.1 30.3,87.12 30.3,87.12
Board_0-Net-(U1-DCC): length 1.5
  Top w0.1: 27.76,87.88 27.78,87.9 28.24,87.9
  Top w0.15: 27.76,87.88 27.44,87.56 27.32,87.56 L1#2.2
Board_0-Net-(U1-DECA): length 5.3
  Top w0.15: 29.73,86.84 29.88,86.69 v1(29.88,86.58) ; U1#5.A4 28.74,87.14 28.74,86.77 28.87,86.64 28.87,86.49 C5#5.1
  Top w0.3: C5#5.1 v1(28.45,86.07) 27.72,85.33 C2.1 27.7,85.37 FB1.1
  Bottom w0.15: v1(28.45,86.07) 28.7,86.07 28.9,86.27 29.57,86.27 v1(29.88,86.58)
Board_0-Net-(U1-DECD): length 3.6
  Top w0.1: 28.4,87.15 28.4,87.21 28.67,87.48
  Top w0.15: FB1.2 27.47,86.51 27.47,86.83 27.16,87.15 26.99,87.15 26.74,86.9 26.6,86.9 L1#2.1 ; 28.4,87.15 28.4,87.09 C1#5.1
  Top w0.3: FB1.2 C1#5.1
Board_0-Net-(U1-P1.00): length 3.1
  Top w0.1: 29.09,87.9 29.1,87.91 v1(29.09,87.92)
  Bottom w0.1: v1(29.09,87.92) 29.53,88.36 29.53,88.65 29.43,88.76 29.43,89.92 v1(28.8,90.54)
Board_0-Net-(U1-XC1): length 2.2
  Top w0.1: Y2#3.1 29.64,85.07 29.91,85.07 30.12,85.28 30.12,85.79 29.52,86.39 U1#5.A1
Board_0-Net-(U1-XC2): length 1.9
  Top w0.1: U1#5.A2 29.16,86.71 29.16,86.37 29.59,85.94 29.59,85.68 29.46,85.55 Y2#3.4
Board_0-Net-(U3-V_{REG_OUT}): length 0.9
  Top w0.3: U3#8.9 24.77,99.49 24.97,99.69 C15#4.1
Board_0-unconnected-(U1-P1.03-PadD5): length 0
  Top w0.1: 29.31,88.11 29.31,88.11 U1#5.D5
Board_0-VDD: length 45.3
  Top w0.1: 28.46,88.11 28.32,88.25 28.32,88.32 ; 30.37,88.33 30.5,88.46 30.57,88.46
  Top w0.15: v1(31.67,94.48) 32.59,94.48 J1#3.1 ; 30.57,88.46 30.73,88.46 v2(31.03,88.76) ; 28.32,88.32 28.32,88.63 C11#9.1
  Top w0.3: C3#2.1 18.61,81.91 17.86,81.91 16.85,82.92 ; C3#2.1 20.21,82.97 20.79,82.97 v2(23.21,85.38) ; C3#2.1 19.24,83.94 U2#4.4 ; C11#9.1 v2(27.82,89.13) 27.73,89.22 27.59,89.22 C10#9.1
  Bottom w0.15: v1(31.67,94.48) 31.4,94.48 29.22,92.3 29.22,91.23 ; 29.22,91.23 29.22,90.99 ; 29.22,91.23 29.22,91.19 29.02,90.99 ; 29.22,91.23 29.46,90.99 29.47,90.99